# Altium PCB KlusterLab r2.0.PcbDoc (part 2 of 22)
Units mm, origin at the board's own origin, x right, y up, seen from the top; angles counter-clockwise.
Board outline 232 x 250 mm, 12 copper layers (L1 Top, L2 Inner1 (GND), L3 Inner2 (Sig), L4 Inner3 (GND), L5 Inner4 (PWR), L6 Inner5 (PWR), L7 Inner6 (PWR), L8 Inner7 (PWR), L9 Inner8 (GND), L10 Inner9 (Sig), L11 Inner10 (GND), L12 Bottom), stack 1.614 mm thick; 1169 components, 852 nets, 4679 pads, 5115 vias.
Unrouted connection lines stored in the file: 1.
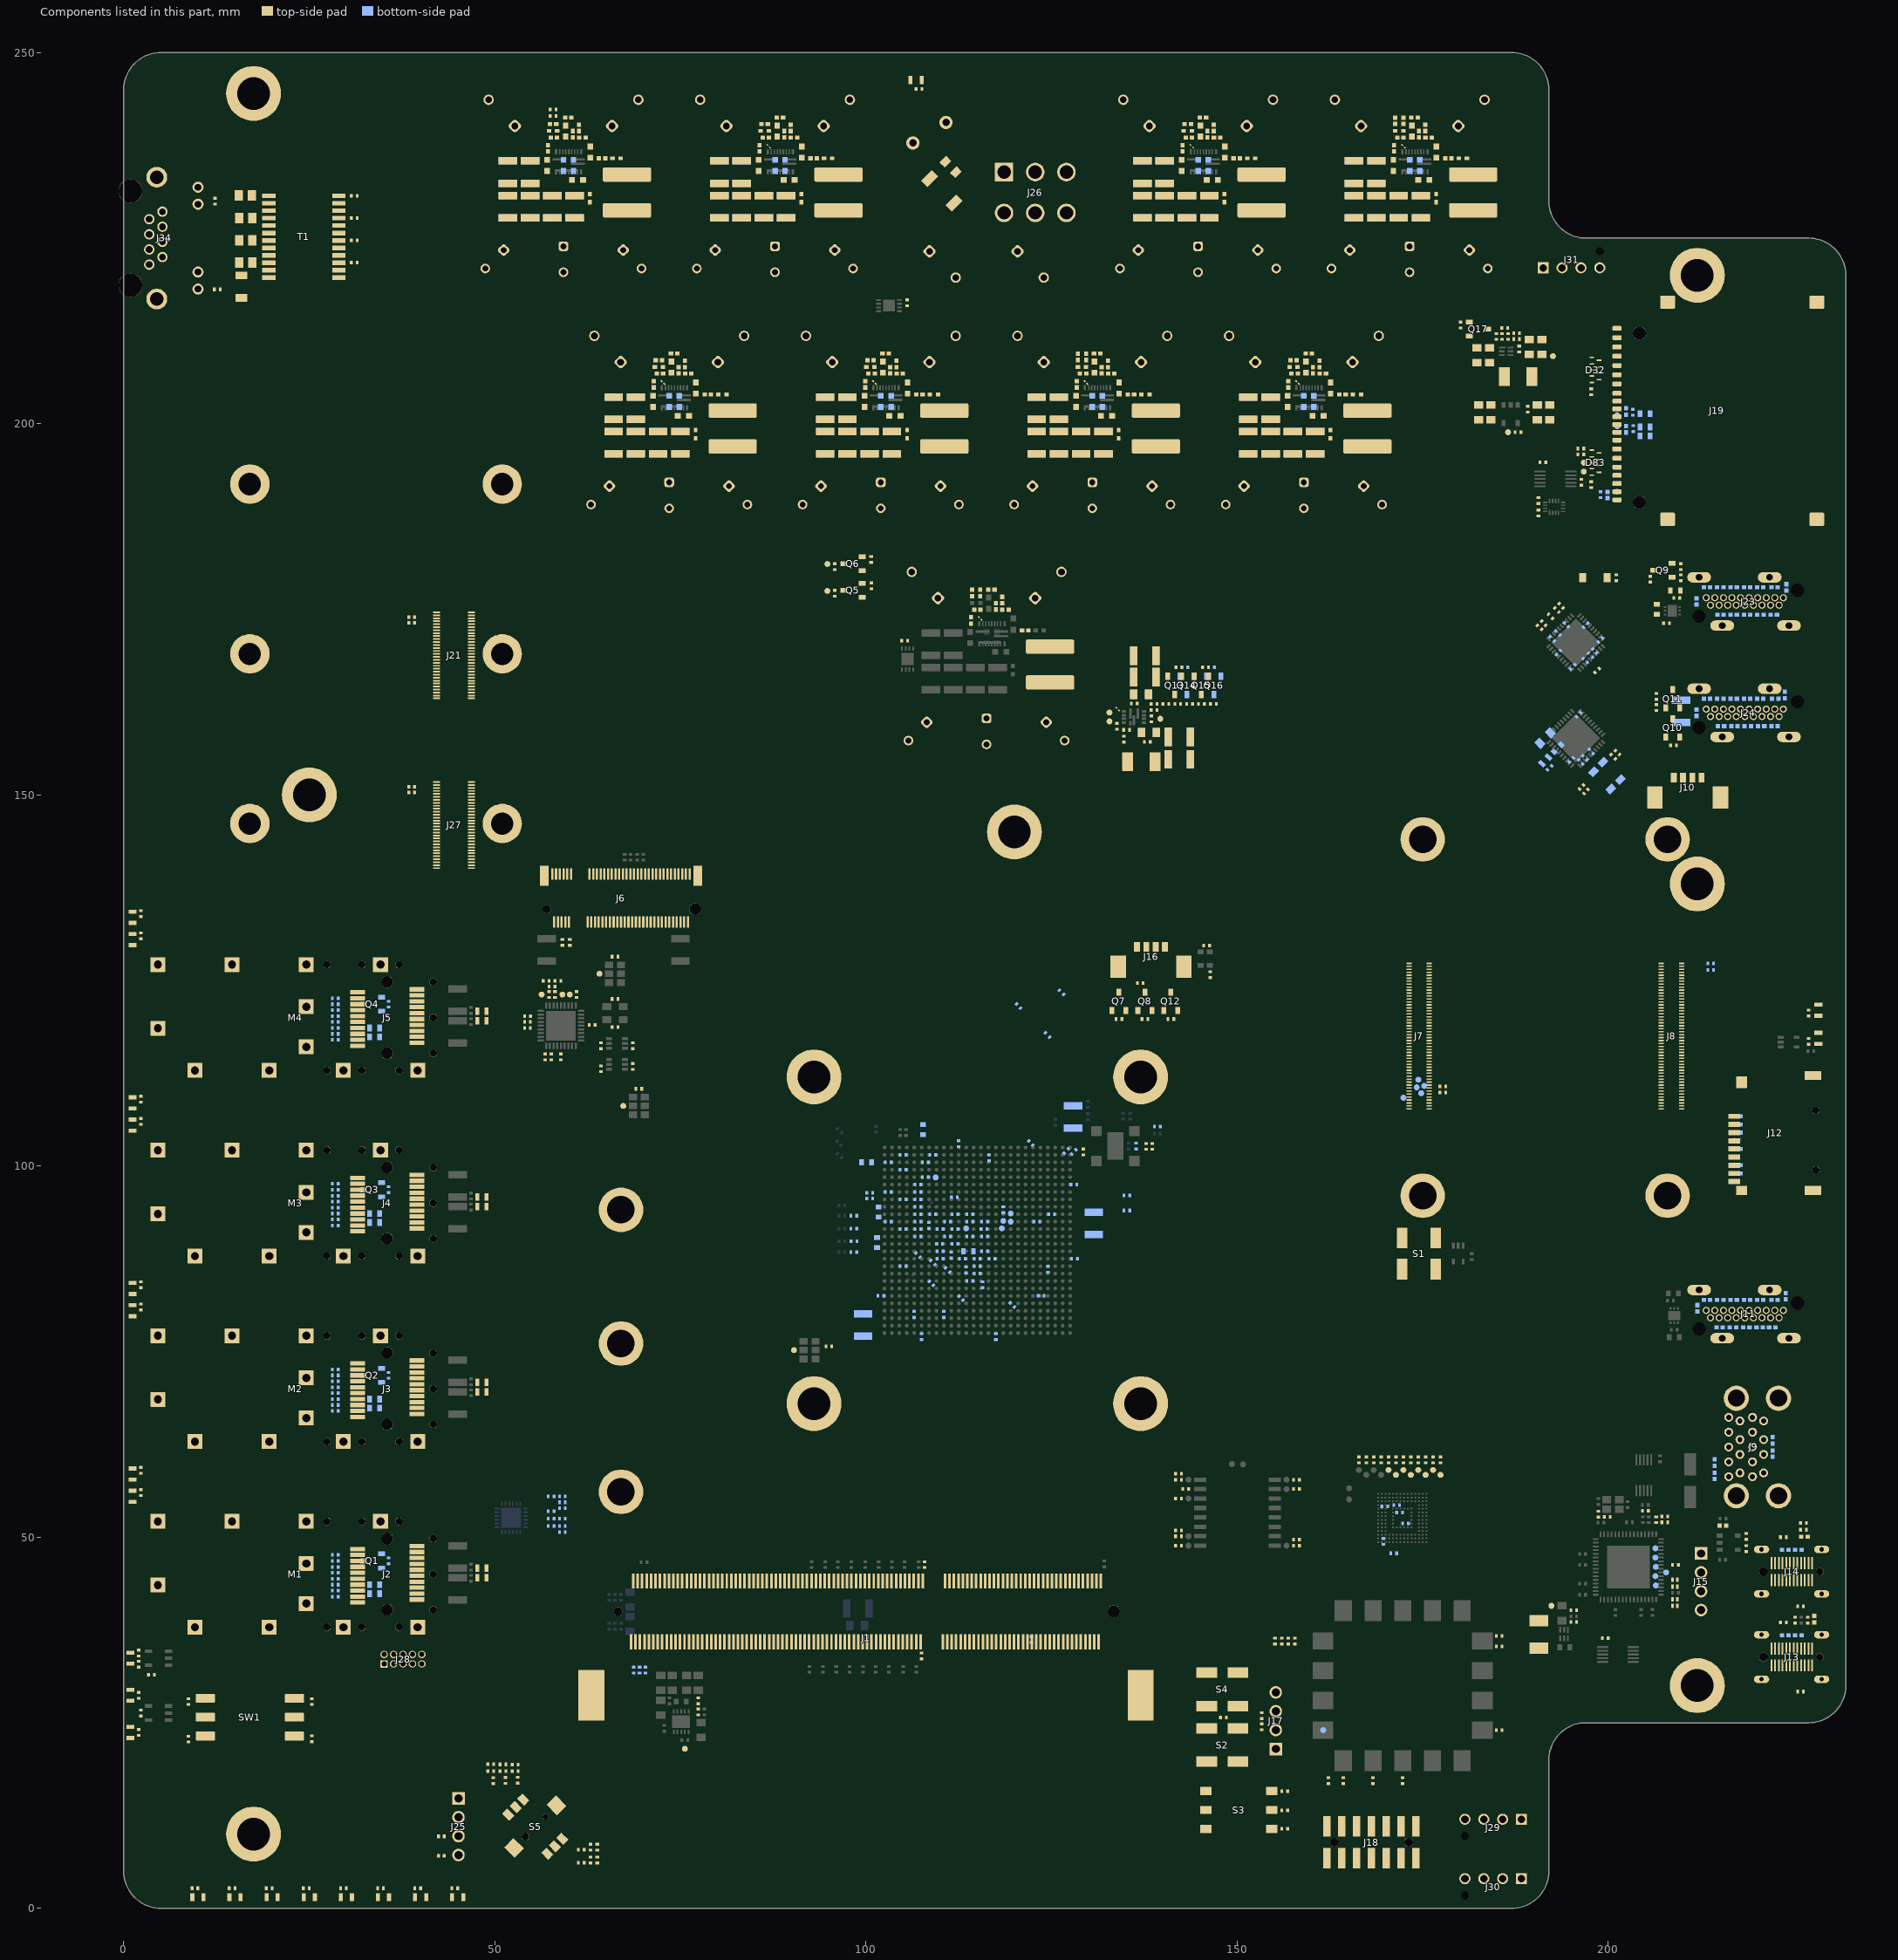
[diagram p12: the components of this part, seen from the top]

## Components (designator, comment, footprint, x,y, rotation, side; value= is the part's Value field where it differs from the comment) (continued)
C141 "4.7µF 6.3V" CAP_0402_L 120.55,121.55 r135 bottom
C142 "4.7µF 6.3V" CAP_0402_L 124.45,117.65 r135 bottom
C143 "100nF 50V" CAP_0402_L 199.605,36.4 r0 top
C144 "4.7µF 6.3V" CAP_0402_L 126.35,123.4 r135 bottom
C145 "100nF 50V" CAP_0402_L 98.35,88.4 r0 bottom
C146 "100nF 50V" CAP_0402_L 98.4,89.85 r0 bottom
C147 "100nF 50V" CAP_0402_L 137.75,102.645 r90 top
C148 "100nF 50V" CAP_0402_L 2.3,26.3 r90 top
C149 "100nF 50V" CAP_0402_L 98.35,91.55 r0 bottom
C150 "100nF 50V" CAP_0402_L 98.35,93.3 r0 bottom
C151 "100nF 50V" CAP_0402_L 135.15,94.012 r0 bottom
C152 "100nF 50V" CAP_0402_L 135.15,96.05 r0 bottom
C153 "100nF 50V" CAP_0402_L 136.4,102.7 r270 bottom
C154 "100nF 50V" CAP_0402_L 171.095,47.829 r0 bottom
C155 "100nF 50V" CAP_0402_L 171.895,53.329 r180 bottom
C156 "100nF 50V" CAP_0402_L 169.695,49.429 r90 bottom
C157 "100nF 50V" CAP_0402_L 3.75,31.45 r0 top
C158 "100nF 50V" CAP_0402_L 172.695,51.829 r0 bottom
C159 "100nF 50V" CAP_0402_L 171.495,54.329 r180 bottom
C160 "100nF 50V" CAP_0402_L 169.895,54.129 r180 bottom
C161 "10nF 50V" CAP_0402_L 31.05,221.7 r180 top
C162 "10nF 50V" CAP_0402_L 31.05,224.7 r180 top
C163 "100nF 50V" CAP_0402_L 143.062,56.488 r0 top
C164 "10nF 50V" CAP_0402_L 31.05,227.7 r180 top
C165 "10nF 50V" CAP_0402_L 31.05,230.7 r180 top
C166 "1nF 2000V" CAP_1206 15.85,218.45 r180 top
C167 "100nF 50V" CAP_0402_L 193.213,171.785 r315 bottom
C168 "100nF 50V" CAP_0402_L 194.347,172.913 r315 bottom
C169 "100nF 50V" CAP_0402_L 196.89,168.108 r135 bottom
C170 "100nF 50V" CAP_0402_L 196.96,172.846 r225 bottom
C171 "100nF 50V" CAP_0402_L 198.94,170.866 r225 bottom
C172 "100nF 50V" CAP_0402_L 193.283,169.169 r45 bottom
C173 "100nF 50V" CAP_0402_L 195.197,167.254 r45 bottom
C174 "10µF 6.3V" CAP_0603_L 206.537,175.014 r180 top
C175 "10µF 6.3V" CAP_0603_L 209.037,177.514 r90 top
C176 "100nF 50V" CAP_0402_L 207.837,173.114 r180 top
C177 "100nF 50V" CAP_0402_L 209.237,176.514 r180 top
C178 "22µF 25V" CAP_1210 209.797,161.254 r0 bottom
C179 "100nF 50V" CAP_0402_L 197.702,155.845 r135 bottom
C180 "10µF 35V" CAP_0805 191.497,157.654 r315 bottom
C181 "100nF 50V" CAP_0402_L 196.005,160.795 r225 bottom
C182 "22µF 10V" CAP_0603_L 193.176,156.269 r135 bottom
C183 "100nF 50V" CAP_0402_L 196.853,154.996 r135 bottom
C184 "100nF 50V" CAP_0402_L 196.287,154.431 r135 bottom
C185 "100nF 50V" CAP_0402_L 57.6,53.5 r0 bottom
C186 "100nF 50V" CAP_0402_L 58.9,114.7 r90 top
C187 "100nF 50V" CAP_0402_L 63.1,119 r180 top
C188 "100nF 50V" CAP_0402_L 61,123.1 r270 top
C189 "100nF 50V" CAP_0402_L 58.1,123.1 r90 top
C190 "100nF 50V" CAP_0402_L 56.8,114.7 r270 top
C191 "100nF 50V" CAP_0402_L 57.3,123.1 r90 top
C192 "100nF 50V" CAP_0402_L 57.6,114.7 r270 top
C193 "OPT" CAP_0402_L 66.2,122.5 r0 top
C194 "100nF 50V" CAP_0402_L 64.3,116.2 r270 top
C195 "100nF 50V" CAP_0402_L 68.6,116.2 r270 top
C196 "OPT" CAP_0402_L 66.2,118.7 r180 top
C197 "100nF 50V" CAP_0402_L 95,75.7 r180 top
C198 "100nF 50V" CAP_0402_L 66.2,128.2 r0 top
C199 "100nF 50V" CAP_0402_L 69.4,110.4 r0 top
C200 "1µF 35V" CAP_0402_L 115.9,91.5 r0 bottom
C201 "1µF 35V" CAP_0402_L 116,88.5 r180 bottom
C202 "1µF 35V" CAP_0402_L 115,87.5 r180 bottom
C203 "10µF 6.3V" CAP_0603_L 113.8,88.5 r270 bottom
C204 "1µF 35V" CAP_0402_L 114,90.5 r180 bottom
C205 "1µF 35V" CAP_0402_L 117,87.5 r180 bottom
C206 "1µF 35V" CAP_0402_L 116.6,101.1 r90 bottom
C207 "100µF 6.3V" CAP_1210 127.9,106.6 r180 bottom
C208 "1µF 35V" CAP_0402_L 128.1,87.5 r0 bottom
C209 "1µF 35V" CAP_0402_L 114,93.5 r0 bottom
C210 "1µF 35V" CAP_0402_L 110,91.5 r0 bottom
C211 "1µF 35V" CAP_0402_L 111,92.5 r0 bottom
C212 "1µF 35V" CAP_0402_L 108.8,84.2 r315 bottom
C213 "100nF 50V" CAP_0402_L 139.25,105.3 r0 bottom
C214 "1µF 35V" CAP_0402_L 112,89.5 r0 bottom
C215 "1µF 35V" CAP_0402_L 111.5,88 r90 bottom
C216 "1µF 35V" CAP_0402_L 112,91.5 r0 bottom
C217 "1µF 35V" CAP_0402_L 109,101.5 r180 bottom
C218 "1µF 35V" CAP_0402_L 112.5,103 r90 bottom
C219 "100nF 50V" CAP_0402_L 145.9,129.719 r180 top
C220 "1µF 35V" CAP_0402_L 116,90.5 r180 bottom
C221 "1µF 35V" CAP_0402_L 114,92.5 r180 bottom
C222 "1µF 35V" CAP_0402_L 116,92.5 r180 bottom
C223 "1µF 35V" CAP_0402_L 119.7,81.3 r315 bottom
C224 "1µF 35V" CAP_0402_L 115,86.5 r0 bottom
C225 "1µF 35V" CAP_0402_L 125,93.5 r180 bottom
C226 "1µF 35V" CAP_0402_L 107,88 r135 bottom
C227 "1µF 35V" CAP_0402_L 123.6,82.5 r0 bottom
C228 "1µF 35V" CAP_0402_L 111,90.5 r0 bottom
C229 "1µF 35V" CAP_0402_L 109,93.5 r180 bottom
C230 "1µF 35V" CAP_0402_L 112,93.5 r0 bottom
C231 "1µF 35V" CAP_0402_L 112.8,82.2 r315 bottom
C232 "1µF 35V" CAP_0402_L 113,87.5 r180 bottom
C233 "1µF 35V" CAP_0402_L 110,88.5 r180 bottom
C234 "1µF 35V" CAP_0402_L 108.5,92 r270 bottom
C235 "100µF 6.3V" CAP_1210 130.7,92.3 r0 bottom
C236 "1µF 35V" CAP_0402_L 128,97.5 r0 bottom
C237 "1µF 35V" CAP_0402_L 108,98.5 r0 bottom
C238 "1µF 35V" CAP_0402_L 105,99.5 r0 bottom
C239 "1µF 35V" CAP_0402_L 107,96.5 r180 bottom
C240 "10µF 6.3V" CAP_0603_L 107.7,104.9 r180 bottom
C241 "1µF 35V" CAP_0402_L 107,92.5 r180 bottom
C242 "1µF 35V" CAP_0402_L 108,100.5 r0 bottom
C243 "1µF 35V" CAP_0402_L 122.2,103.1 r135 bottom
C244 "1µF 35V" CAP_0402_L 124.5,86.1 r270 bottom
C245 "1µF 35V" CAP_0402_L 117.5,77 r270 bottom
C246 "10µF 6.3V" CAP_0603_L 101.5,89.7 r180 bottom
C247 "1µF 35V" CAP_0402_L 103,96.5 r180 bottom
C248 "1µF 35V" CAP_0402_L 103,100.5 r180 bottom
C249 "1µF 35V" CAP_0402_L 123,92.5 r0 bottom
C250 "100nF 50V" CAP_0402_L 105.55,216.3 r90 top
C251 "1µF 35V" CAP_0402_L 107,94.5 r180 bottom
C252 "100nF 50V" CAP_0402_L 105.2,170.75 r180 top
C253 "100µF 6.3V" CAP_1210 99.6,78.6 r180 bottom
C254 "1µF 35V" CAP_0402_L 115.7,84 r90 bottom
C255 "1µF 35V" CAP_0402_L 105,91.5 r0 bottom
C256 "1µF 35V" CAP_0402_L 103,92.5 r180 bottom
C257 "1µF 35V" CAP_0402_L 105,101.5 r0 bottom
C258 "330µF 25V" WCAP-PTG5_D10H12.5 107.932,178.268 r315 top
C259 "330µF 25V" WCAP-PTG5_D10H12.5 124.568,178.268 r225 top
C260 "470µF 16V" WCAP-PTG5_D8H13 106.95,158.55 r45 top
C261 "10µF 6.3V" CAP_0603_L 101.7,93.8 r180 bottom
C262 "10µF 6.3V" CAP_0603_L 100.1,100.5 r270 bottom
C263 "1µF 35V" CAP_0402_L 105,95.5 r0 bottom
C264 "470µF 16V" WCAP-PTG5_D8H13 116.241,158.55 r90 top
C265 "470µF 16V" WCAP-PTG5_D8H13 125.532,158.55 r135 top
C267 "22µF 25V" CAP_1210 51.75,233.9 r0 bottom
C268 "22µF 25V" CAP_1210 54.75,233.9 r0 bottom
C269 "1µF 35V" CAP_0402_L 107,90.5 r180 bottom
C270 "22µF 25V" CAP_1210 51.75,233.9 r180 top
C271 "1µF 35V" CAP_0402_L 102,82.5 r180 bottom
C272 "1µF 35V" CAP_0402_L 107.5,77 r270 bottom
C273 "22µF 25V" CAP_1210 54.75,233.9 r180 top
C274 "1µF 35V" CAP_0402_L 106.5,80 r270 bottom
C275 "1µF 35V" CAP_0402_L 118.5,94.1 r270 bottom
C276 "1µF 50V" CAP_0603 57.05,234.8 r180 top
C277 "1µF 35V" CAP_0402_L 111.9,95.8 r0 bottom
C278 "1µF 50V" CAP_0603 59.25,234.8 r0 bottom
C279 "1µF 50V" CAP_0805 111.405,234.592 r225 top
C280 "1µF 50V" CAP_0603 60.6,234.8 r0 bottom
C281 "330µF 25V" WCAP-PTG5_D10H12.5 110.318,221.45 r135 top
C282 "330µF 25V" WCAP-PTG5_D10H12.5 122.182,221.45 r135 top
C286 "1µF 50V" CAP_0603 62.85,236.6 r0 top
C287 "330µF 25V" WCAP-PTG5_D10H12.5 67.568,241.868 r225 top
C288 "330µF 25V" WCAP-PTG5_D10H12.5 50.932,241.868 r315 top
C289 "100nF 50V" CAP_0402 66.4,235.75 r270 top
C290 "100nF 50V" CAP_0402 62.8,230.4 r0 top
C291 "47µF 10V" CAP_1210 60.75,229.25 r0 top
C292 "47µF 10V" CAP_1210 57.75,229.25 r0 top
C293 "47µF 10V" CAP_1210 54.75,229.25 r0 top
C294 "47µF 10V" CAP_1210 51.75,229.25 r0 top
C295 "OPT" CAP_0402 57.85,239.45 r270 top
C296 "2.2µF 16V" CAP_0603 61.15,232.85 r90 top
C297 "47µF 10V" CAP_1210 60.75,229.25 r180 bottom
C298 "47µF 10V" CAP_1210 57.75,229.25 r180 bottom
C299 "47µF 10V" CAP_1210 54.75,229.25 r180 bottom
C300 "47µF 10V" CAP_1210 51.75,229.25 r180 bottom
C301 "220nF 50V" CAP_0603 59.535,239.425 r0 top
C302 "470µF 16V" WCAP-PTG5_D8H13 49.95,222.15 r45 top
C303 "470µF 16V" WCAP-PTG5_D8H13 59.241,222.15 r90 top
C304 "470µF 16V" WCAP-PTG5_D8H13 68.532,222.15 r135 top
C306 "22µF 25V" CAP_1210 137.25,233.9 r0 bottom
C307 "22µF 25V" CAP_1210 140.25,233.9 r0 bottom
C308 "22µF 25V" CAP_1210 137.25,233.9 r180 top
C309 "22µF 25V" CAP_1210 140.25,233.9 r180 top
C310 "1µF 50V" CAP_0603 142.55,234.8 r180 top
C311 "1µF 50V" CAP_0603 144.75,234.8 r0 bottom
C312 "1µF 50V" CAP_0603 146.1,234.8 r0 bottom
C313 "1µF 50V" CAP_0603 148.35,236.6 r0 top
C314 "330µF 25V" WCAP-PTG5_D10H12.5 153.068,241.868 r225 top
C315 "330µF 25V" WCAP-PTG5_D10H12.5 136.432,241.868 r315 top
C316 "100nF 50V" CAP_0402 151.9,235.75 r270 top
C317 "100nF 50V" CAP_0402 148.3,230.4 r0 top
C318 "47µF 10V" CAP_1210 146.25,229.25 r0 top
C319 "47µF 10V" CAP_1210 143.25,229.25 r0 top
C320 "47µF 10V" CAP_1210 140.25,229.25 r0 top
C321 "47µF 10V" CAP_1210 137.25,229.25 r0 top
C322 "OPT" CAP_0402 143.35,239.45 r270 top
C323 "2.2µF 16V" CAP_0603 146.65,232.85 r90 top
C324 "47µF 10V" CAP_1210 146.25,229.25 r180 bottom
C325 "47µF 10V" CAP_1210 143.25,229.25 r180 bottom
C326 "47µF 10V" CAP_1210 140.25,229.25 r180 bottom
C327 "47µF 10V" CAP_1210 137.25,229.25 r180 bottom
C328 "220nF 50V" CAP_0603 145.035,239.425 r0 top
C329 "470µF 16V" WCAP-PTG5_D8H13 135.45,222.15 r45 top
C330 "470µF 16V" WCAP-PTG5_D8H13 144.741,222.15 r90 top
C331 "470µF 16V" WCAP-PTG5_D8H13 154.032,222.15 r135 top
C333 "22µF 25V" CAP_1210 66,202.1 r0 bottom
C334 "22µF 25V" CAP_1210 69,202.1 r0 bottom
C335 "22µF 25V" CAP_1210 66,202.1 r180 top
C336 "22µF 25V" CAP_1210 69,202.1 r180 top
C337 "1µF 50V" CAP_0603 71.3,203 r180 top
C338 "1µF 50V" CAP_0603 73.5,203 r0 bottom
C339 "1µF 50V" CAP_0603 74.85,203 r0 bottom
C340 "1µF 50V" CAP_0603 77.1,204.8 r0 top
C341 "330µF 25V" WCAP-PTG5_D10H12.5 81.818,210.068 r225 top
C342 "330µF 25V" WCAP-PTG5_D10H12.5 65.182,210.068 r315 top
C343 "100nF 50V" CAP_0402 80.65,203.95 r270 top
C344 "100nF 50V" CAP_0402 77.05,198.6 r0 top
C345 "47µF 10V" CAP_1210 75,197.45 r0 top
C346 "47µF 10V" CAP_1210 72,197.45 r0 top
C347 "47µF 10V" CAP_1210 69,197.45 r0 top
C348 "47µF 10V" CAP_1210 66,197.45 r0 top
C349 "OPT" CAP_0402 72.1,207.65 r270 top
C350 "2.2µF 16V" CAP_0603 75.4,201.05 r90 top
C351 "47µF 10V" CAP_1210 75,197.45 r180 bottom
C352 "47µF 10V" CAP_1210 72,197.45 r180 bottom
C353 "47µF 10V" CAP_1210 69,197.45 r180 bottom
C354 "47µF 10V" CAP_1210 66,197.45 r180 bottom
C355 "220nF 50V" CAP_0603 73.785,207.625 r0 top
C356 "470µF 16V" WCAP-PTG5_D8H13 64.2,190.35 r45 top
C357 "470µF 16V" WCAP-PTG5_D8H13 73.491,190.35 r90 top
C358 "470µF 16V" WCAP-PTG5_D8H13 82.782,190.35 r135 top
C360 "22µF 25V" CAP_1210 80.25,233.9 r0 bottom
C361 "22µF 25V" CAP_1210 83.25,233.9 r0 bottom
C362 "22µF 25V" CAP_1210 80.25,233.9 r180 top
C363 "22µF 25V" CAP_1210 83.25,233.9 r180 top
C364 "1µF 50V" CAP_0603 85.55,234.8 r180 top
C365 "1µF 50V" CAP_0603 87.75,234.8 r0 bottom
C366 "1µF 50V" CAP_0603 89.1,234.8 r0 bottom
C367 "1µF 50V" CAP_0603 91.35,236.6 r0 top
C368 "330µF 25V" WCAP-PTG5_D10H12.5 96.068,241.868 r225 top
C369 "330µF 25V" WCAP-PTG5_D10H12.5 79.432,241.868 r315 top
C370 "100nF 50V" CAP_0402 94.9,235.75 r270 top
C371 "100nF 50V" CAP_0402 91.3,230.4 r0 top
C372 "47µF 10V" CAP_1210 89.25,229.25 r0 top
C373 "47µF 10V" CAP_1210 86.25,229.25 r0 top
C374 "47µF 10V" CAP_1210 83.25,229.25 r0 top
C375 "47µF 10V" CAP_1210 80.25,229.25 r0 top
C376 "OPT" CAP_0402 86.35,239.45 r270 top
C377 "2.2µF 16V" CAP_0603 89.65,232.85 r90 top
C378 "47µF 10V" CAP_1210 89.25,229.25 r180 bottom
C379 "47µF 10V" CAP_1210 86.25,229.25 r180 bottom
C380 "47µF 10V" CAP_1210 83.25,229.25 r180 bottom
C381 "47µF 10V" CAP_1210 80.25,229.25 r180 bottom
C382 "220nF 50V" CAP_0603 88.035,239.425 r0 top
C383 "470µF 16V" WCAP-PTG5_D8H13 78.45,222.15 r45 top
C384 "470µF 16V" WCAP-PTG5_D8H13 87.741,222.15 r90 top
C385 "470µF 16V" WCAP-PTG5_D8H13 97.032,222.15 r135 top
C387 "22µF 25V" CAP_1210 94.5,202.1 r0 bottom
C388 "22µF 25V" CAP_1210 97.5,202.1 r0 bottom
C389 "22µF 25V" CAP_1210 94.5,202.1 r180 top
C390 "22µF 25V" CAP_1210 97.5,202.1 r180 top
C391 "1µF 50V" CAP_0603 99.8,203 r180 top
C392 "1µF 50V" CAP_0603 102,203 r0 bottom
C393 "1µF 50V" CAP_0603 103.4,203 r0 bottom
C394 "1µF 50V" CAP_0603 105.6,204.8 r0 top
C395 "330µF 25V" WCAP-PTG5_D10H12.5 110.318,210.068 r225 top
C396 "330µF 25V" WCAP-PTG5_D10H12.5 93.682,210.068 r315 top
C397 "100nF 50V" CAP_0402 109.15,203.95 r270 top
C398 "100nF 50V" CAP_0402 105.55,198.6 r0 top
C399 "47µF 10V" CAP_1210 103.5,197.45 r0 top
C400 "47µF 10V" CAP_1210 100.5,197.45 r0 top
C401 "47µF 10V" CAP_1210 97.5,197.45 r0 top
C402 "47µF 10V" CAP_1210 94.5,197.45 r0 top
C403 "OPT" CAP_0402 100.6,207.65 r270 top
C404 "2.2µF 16V" CAP_0603 103.9,201.05 r90 top
C405 "47µF 10V" CAP_1210 103.5,197.45 r180 bottom
C406 "47µF 10V" CAP_1210 100.5,197.45 r180 bottom
C407 "47µF 10V" CAP_1210 97.5,197.45 r180 bottom
C408 "47µF 10V" CAP_1210 94.5,197.45 r180 bottom
C409 "220nF 50V" CAP_0603 102.285,207.625 r0 top
C410 "470µF 16V" WCAP-PTG5_D8H13 92.7,190.35 r45 top
C411 "470µF 16V" WCAP-PTG5_D8H13 101.991,190.35 r90 top
C412 "470µF 16V" WCAP-PTG5_D8H13 111.282,190.35 r135 top
C414 "22µF 25V" CAP_1210 123,202.1 r0 bottom
C415 "22µF 25V" CAP_1210 126,202.1 r0 bottom
C416 "100nF 50V" CAP_0402_L 52.75,19.35 r180 top
C417 "100nF 50V" CAP_0402_L 49.45,19.4 r180 top
C418 "100nF 50V" CAP_0402_L 51.1,19.395 r180 top
C419 "100nF 50V" CAP_0402_L 63.8,8.25 r90 top
C420 "100nF 50V" CAP_0402_L 63.8,6.5 r90 top
C421 "1µF 35V" CAP_0402_L 110,87.5 r0 bottom
C422 "1µF 35V" CAP_0402_L 109.9,89.5 r0 bottom
C423 "22µF 25V" CAP_1210 123,202.1 r180 top
C424 "22µF 25V" CAP_1210 126,202.1 r180 top
C425 "1µF 50V" CAP_0603 128.3,203 r180 top
C426 "1µF 50V" CAP_0603 130.5,203 r0 bottom
C427 "1µF 50V" CAP_0603 131.85,203 r0 bottom
C428 "1µF 50V" CAP_0603 134.1,204.8 r0 top
C429 "330µF 25V" WCAP-PTG5_D10H12.5 138.818,210.068 r225 top
C430 "330µF 25V" WCAP-PTG5_D10H12.5 122.182,210.068 r315 top
C431 "100nF 50V" CAP_0402 137.65,203.95 r270 top
C432 "100nF 50V" CAP_0402 134.05,198.6 r0 top
C433 "47µF 10V" CAP_1210 132,197.45 r0 top
C434 "47µF 10V" CAP_1210 129,197.45 r0 top
C435 "47µF 10V" CAP_1210 126,197.45 r0 top
C436 "47µF 10V" CAP_1210 123,197.45 r0 top
C437 "OPT" CAP_0402 129.1,207.65 r270 top
C438 "2.2µF 16V" CAP_0603 132.4,201.05 r90 top
C439 "47µF 10V" CAP_1210 132,197.45 r180 bottom
C440 "47µF 10V" CAP_1210 129,197.45 r180 bottom
C441 "47µF 10V" CAP_1210 126,197.45 r180 bottom
C442 "47µF 10V" CAP_1210 123,197.45 r180 bottom
C443 "220nF 50V" CAP_0603 130.785,207.625 r0 top
C444 "470µF 16V" WCAP-PTG5_D8H13 121.2,190.35 r45 top
C445 "470µF 16V" WCAP-PTG5_D8H13 130.491,190.35 r90 top
C446 "470µF 16V" WCAP-PTG5_D8H13 139.782,190.35 r135 top
C448 "22µF 25V" CAP_1210 165.75,233.9 r0 bottom
C449 "22µF 25V" CAP_1210 168.75,233.9 r0 bottom
C450 "22µF 25V" CAP_1210 165.75,233.9 r180 top
C451 "22µF 25V" CAP_1210 168.75,233.9 r180 top
C452 "1µF 50V" CAP_0603 171.05,234.8 r180 top
C453 "1µF 50V" CAP_0603 173.25,234.8 r0 bottom
C454 "1µF 50V" CAP_0603 174.6,234.8 r0 bottom
C455 "1µF 50V" CAP_0603 176.85,236.6 r0 top
C456 "330µF 25V" WCAP-PTG5_D10H12.5 181.568,241.868 r225 top
C457 "330µF 25V" WCAP-PTG5_D10H12.5 164.932,241.868 r315 top
C458 "100nF 50V" CAP_0402 180.4,235.75 r270 top
C459 "100nF 50V" CAP_0402 176.8,230.4 r0 top
C460 "47µF 10V" CAP_1210 174.75,229.25 r0 top
C461 "47µF 10V" CAP_1210 171.75,229.25 r0 top
C462 "47µF 10V" CAP_1210 168.75,229.25 r0 top
C463 "47µF 10V" CAP_1210 165.75,229.25 r0 top
C464 "OPT" CAP_0402 171.85,239.45 r270 top
C465 "2.2µF 16V" CAP_0603 175.15,232.85 r90 top
C466 "47µF 10V" CAP_1210 174.75,229.25 r180 bottom
C467 "47µF 10V" CAP_1210 171.75,229.25 r180 bottom
C468 "47µF 10V" CAP_1210 168.75,229.25 r180 bottom
C469 "47µF 10V" CAP_1210 165.75,229.25 r180 bottom
C470 "220nF 50V" CAP_0603 173.535,239.425 r0 top
C471 "470µF 16V" WCAP-PTG5_D8H13 163.95,222.15 r45 top
C472 "470µF 16V" WCAP-PTG5_D8H13 173.241,222.15 r90 top
C473 "470µF 16V" WCAP-PTG5_D8H13 182.532,222.15 r135 top
C475 "22µF 25V" CAP_1210 151.5,202.1 r0 bottom
C476 "22µF 25V" CAP_1210 154.5,202.1 r0 bottom
C477 "22µF 25V" CAP_1210 151.5,202.1 r180 top
C478 "22µF 25V" CAP_1210 154.5,202.1 r180 top
C479 "1µF 50V" CAP_0603 156.8,203 r180 top
C480 "1µF 50V" CAP_0603 159,203 r0 bottom
C481 "1µF 50V" CAP_0603 160.35,203 r0 bottom
C482 "1µF 50V" CAP_0603 162.6,204.8 r0 top
C483 "330µF 25V" WCAP-PTG5_D10H12.5 167.318,210.068 r225 top
C484 "330µF 25V" WCAP-PTG5_D10H12.5 150.682,210.068 r315 top
C485 "100nF 50V" CAP_0402 166.15,203.95 r270 top
C486 "100nF 50V" CAP_0402 162.55,198.6 r0 top
C487 "47µF 10V" CAP_1210 160.5,197.45 r0 top
C488 "47µF 10V" CAP_1210 157.5,197.45 r0 top
C489 "47µF 10V" CAP_1210 154.5,197.45 r0 top
C490 "47µF 10V" CAP_1210 151.5,197.45 r0 top
C491 "OPT" CAP_0402 157.6,207.65 r270 top
C492 "2.2µF 16V" CAP_0603 160.9,201.05 r90 top
C493 "47µF 10V" CAP_1210 160.5,197.45 r180 bottom
C494 "47µF 10V" CAP_1210 157.5,197.45 r180 bottom
C495 "47µF 10V" CAP_1210 154.5,197.45 r180 bottom
C496 "47µF 10V" CAP_1210 151.5,197.45 r180 bottom
C497 "220nF 50V" CAP_0603 159.285,207.625 r0 top
C498 "470µF 16V" WCAP-PTG5_D8H13 149.7,190.35 r45 top
C499 "470µF 16V" WCAP-PTG5_D8H13 158.991,190.35 r90 top
C500 "470µF 16V" WCAP-PTG5_D8H13 168.282,190.35 r135 top
C502 "100nF 50V" CAP_0402_L 64.3,113.1 r90 top
C503 "100nF 50V" CAP_0402_L 68.6,113.4 r270 top
C504 "100nF 50V" CAP_0402_L 136.15,162.3 r180 top
C505 "1µF 50V" CAP_0805 137.05,163.55 r270 top
C506 "1µF 50V" CAP_0805 137.05,163.55 r90 bottom
C507 "22µF 25V" CAP_1210 137.55,165.85 r270 top
C508 "22µF 25V" CAP_1210 137.55,168.75 r270 top
C509 "22µF 25V" CAP_1210 137.55,168.75 r90 bottom
C510 "22µF 25V" CAP_1210 137.55,165.85 r90 bottom
C511 "100nF 50V" CAP_0402_L 135.1,158.75 r0 top
C512 "1µF 16V" CAP_0402_L 138.45,160.25 r90 top
C513 "100nF 50V" CAP_0402_L 137.9,157.15 r0 top
C514 "1µF 50V" CAP_0805 138.15,158.4 r90 top
C515 "1µF 50V" CAP_0805 138.15,158.4 r270 bottom
C516 "22µF 25V" CAP_1210 142.2,154.8 r90 bottom
C517 "22µF 25V" CAP_1210 142.2,154.8 r270 top
C518 "22µF 25V" CAP_1210 142.2,157.8 r270 top
C519 "22µF 25V" CAP_1210 142.2,157.8 r90 bottom
C520 "100nF 50V" CAP_0402_L 100.5,95.6 r180 bottom
C521 "100nF 50V" CAP_0402_L 100.5,96.4 r180 bottom
C522 "100nF 50V" CAP_0402_L 196.3,195.85 r0 top
C523 "100nF 50V" CAP_0402_L 196.3,196.65 r0 top
C524 "100nF 50V" CAP_0402_L 191.2,194.8 r0 top
C525 "100nF 50V" CAP_0402_L 190.593,187.981 r270 top
C526 "100nF 50V" CAP_0402_L 190.593,189.631 r90 top
C527 "100nF 50V" CAP_0402_L 198.95,190.45 r270 bottom
C528 "100nF 50V" CAP_0402_L 203.3,201.55 r90 bottom
C529 "100nF 50V" CAP_0402_L 203.35,199.35 r270 bottom
C530 "12pF 50V" CAP_0402_L 187.65,212.2 r0 top
C531 "22µF 16V" CAP_0805 182.3,209.25 r0 top
C532 "22µF 16V" CAP_0805 184,209.25 r0 top
C533 "100nF 50V" CAP_0402_L 188,210.055 r90 top
C534 "22µF 16V" CAP_0805 189.35,210.35 r0 top
C535 "22µF 16V" CAP_0805 191.05,210.35 r0 top
C536 "22µF 16V" CAP_0805 182.55,201.5 r180 top
C537 "22µF 16V" CAP_0805 184.2,201.5 r180 top
C538 "100nF 50V" CAP_0402_L 189.15,201.95 r270 top
C539 "22µF 16V" CAP_0805 190.45,201.5 r180 top
C540 "22µF 16V" CAP_0805 192.1,201.5 r180 top
D1 "LTST-S270KGKT" "LED-0603 Sideview" 228.3,121 r270 top
D2 "LTST-S270KRKT" "LED-0603 Sideview" 228.3,117.2 r270 top
D3 "CESDP0402UC5VB" TVS_0402 211.997,80.829 r90 bottom
D4 "CESDP0402UC5VB" TVS_0402 223.897,82.454 r270 bottom
D5 "CESDP0402UC5VB" TVS_0402 222.397,81.954 r0 bottom
D6 "CESDP0402UC5VB" TVS_0402 222.097,78.254 r180 bottom
D7 "CESDP0402UC5VB" TVS_0402 220.397,78.254 r0 bottom
D8 "CESDP0402UC5VB" TVS_0402 220.472,81.954 r180 bottom
D9 "CESDP0402UC5VB" TVS_0402 218.697,81.954 r0 bottom
D10 "CESDP0402UC5VB" TVS_0402 218.597,78.254 r180 bottom
D11 "CESDP0402UC5VB" TVS_0402 216.797,78.254 r0 bottom
D12 "CESDP0402UC5VB" TVS_0402 216.897,81.954 r180 bottom
D13 "CESDP0402UC5VB" TVS_0402 215.097,81.954 r0 bottom
D14 "CESDP0402UC5VB" TVS_0402 214.997,78.254 r180 bottom
D15 "CESDP0402UC5VB" TVS_0402 213.297,81.954 r180 bottom
D16 "CESDP0402UC5VB" TVS_0402 217.4,100.1 r180 bottom
D17 "CESDP0402UC5VB" TVS_0402 217.4,99 r180 bottom
D18 "CESDP0402UC5VB" TVS_0402 217.4,106.7 r180 bottom
D19 "CESDP0402UC5VB" TVS_0402 217.4,105.6 r180 bottom
D20 "CESDP0402UC5VB" TVS_0402 217.4,102.3 r180 bottom
D21 "CESDP0402UC5VB" TVS_0402 217.4,104.5 r180 bottom
D22 "CESDP0402UC5VB" TVS_0402 227.75,38.95 r90 top
D23 "CESDP0402UC5VB" TVS_0402 215.45,51.55 r180 top
D24 "CESDP0402UC5VB" TVS_0402 225.6,36.8 r0 bottom
D25 "CESDP0402UC5VB" TVS_0402 223.85,36.8 r180 bottom
D26 "CESDP0402UC5VB" TVS_0402 222.134,61.248 r90 bottom
D27 "CESDP0402UC5VB" TVS_0402 222.134,63.048 r270 bottom
D28 "CESDP0402UC5VB" TVS_0402 214.334,60.048 r270 bottom
D29 "LTST-S270KRKT" "LED-0603 Sideview" 0.9,23.7 r90 top